# KiCad board GaussSpeedway.kicad_pcb (continued)
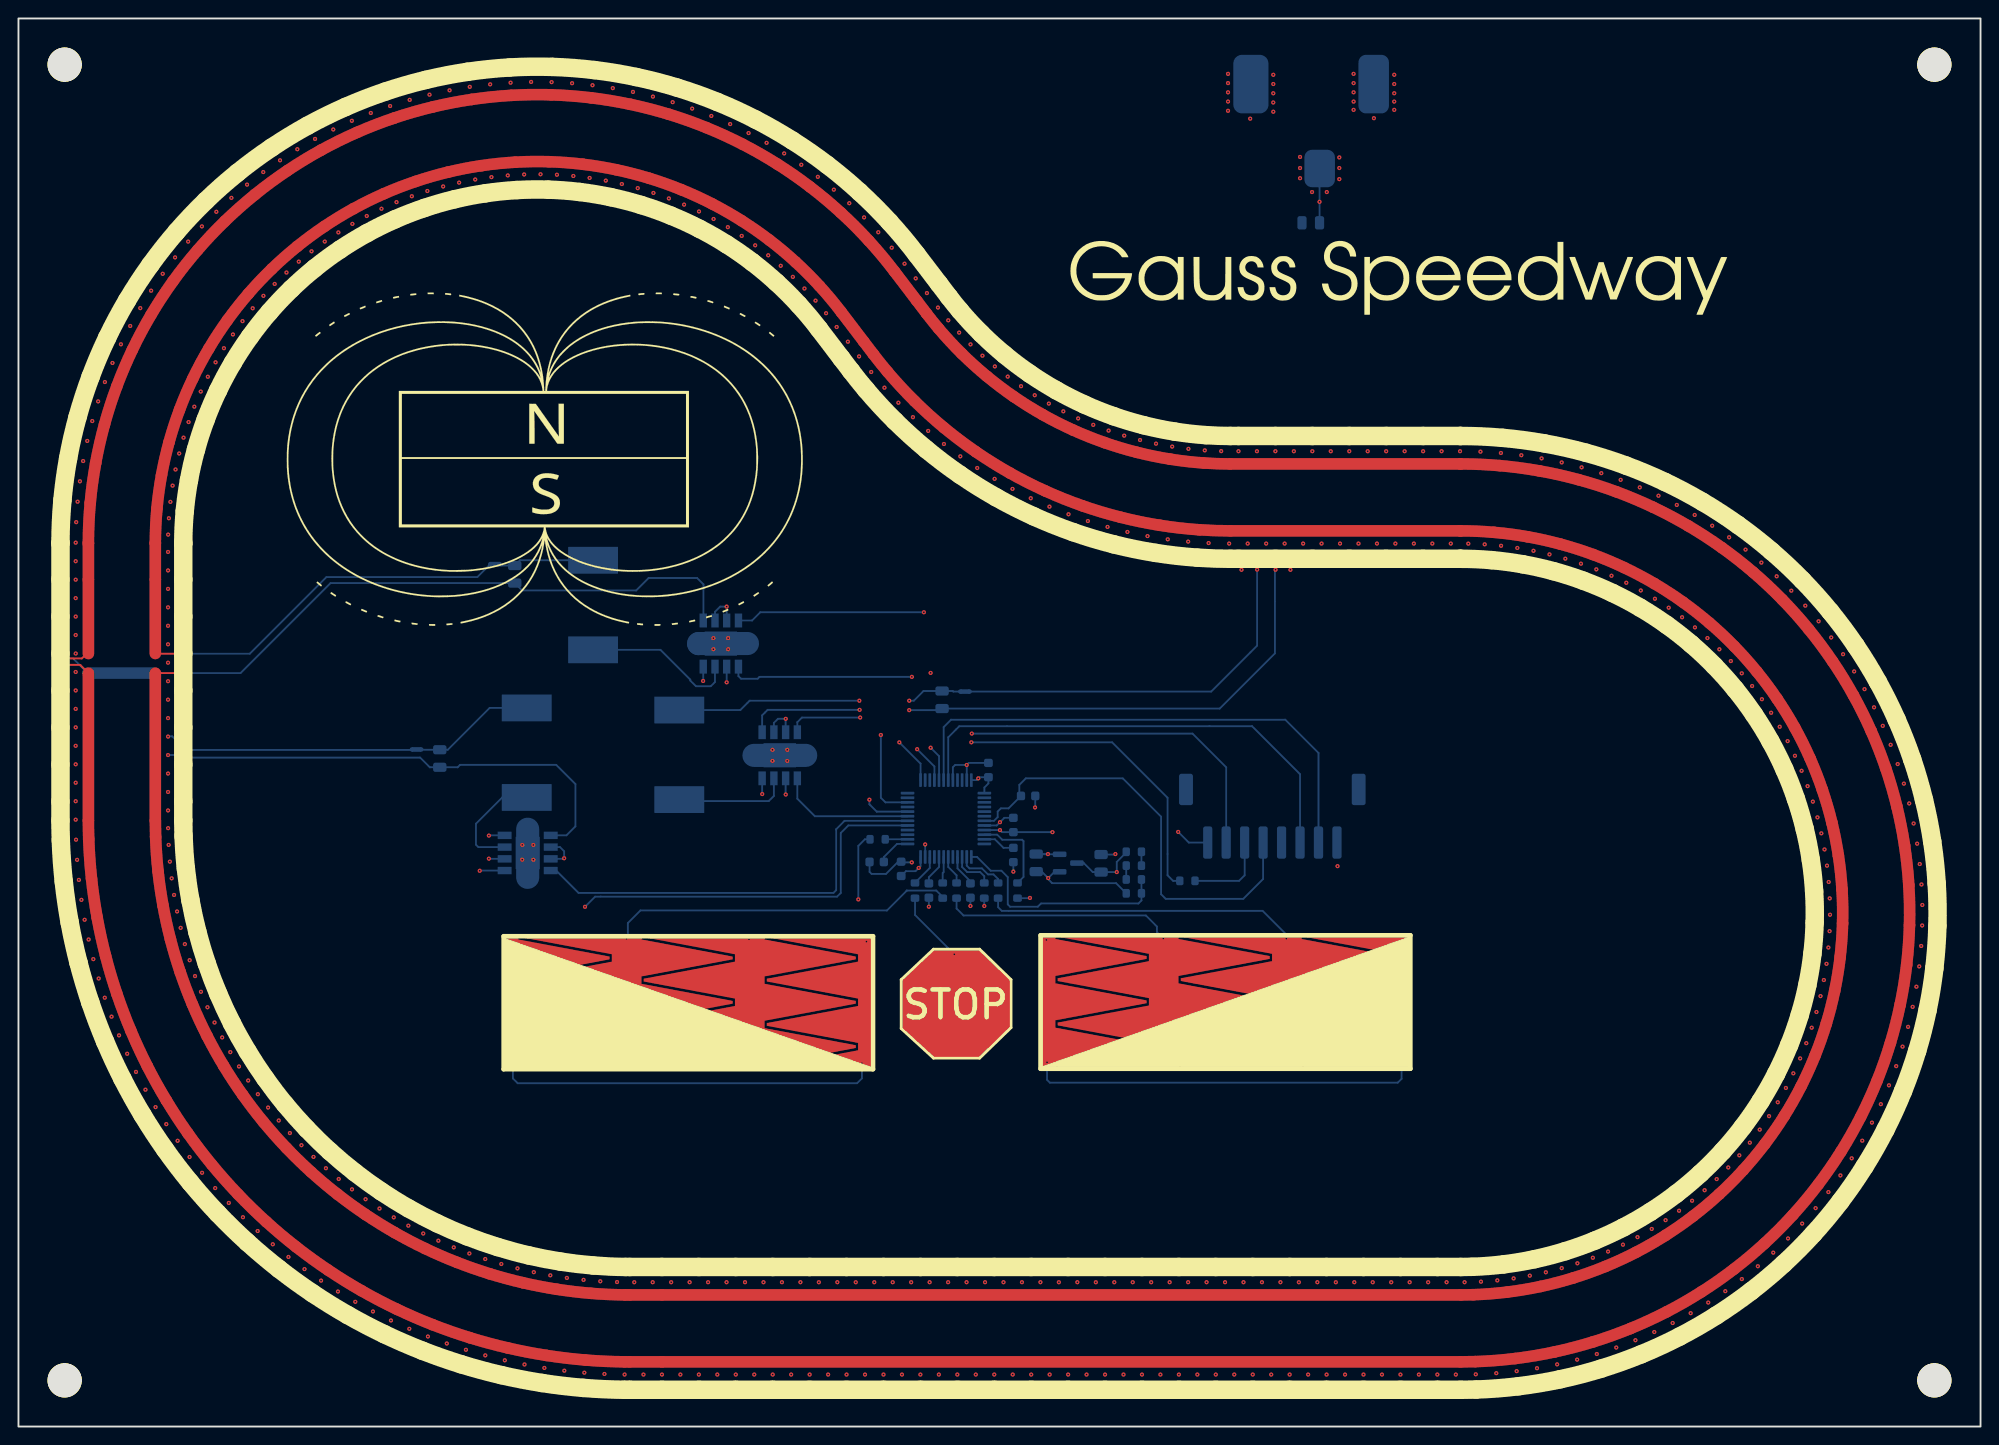
[diagram p0: board, top side]
## Routing (per net, layer and track width the routed paths; a pad name or vN(x,y) marks a point on that pad's centre or on a via; arc(x,y) is an arc through that point) (continued)
/G1_SAMPLE: length 3.5
  Bottom w0.2: C11.1 106.68,62.68 105.75,63.6 U1.11
/G2_SAMPLE: length 3.4
  Bottom w0.2: 103.1,58.82 103.1,59.05 101.7,60.45 U1.16
/G3_SAMPLE: length 3.3
  Bottom w0.2: U1.20 99.7,60.6 98.6,59.5 98.6,58.82
/G6_SAMPLE: length 3.7
  Bottom w0.2: C14.1 93.72,61.68 95.15,63.1 U1.25
/G_IN1: length 39.3
  In1.Cu w0.2: v1(98.06,88.19) 98.79,87.46 v1(98.79,81.62)
  In2.Cu w0.2: v1(98.79,73.52) v1(98.79,81.62)
  Bottom w0.2: v1(98.06,88.19) 80.34,88.19 79.45,87.3 U4.4 ; U1.41 99.7,72.61 v1(98.79,73.52)
/G_IN2: length 32.2
  In2.Cu w0.2: v1(97.33,73.36) 97.33,80.62 v1(96.76,81.19)
  Bottom w0.2: v1(96.76,81.19) 80.26,81.19 80.06,80.99 78.26,80.99 77.97,81.28 U4.5 ; U1.40 99.2,71.49 v1(97.33,73.36)
/NRST: length 48.6
  Bottom w0.2: J2.4 134.8,59.3 132.65,57.15 124.25,57.15 123.75,57.65 123.75,66.05 119.6,70.2 109.1,70.2 108.4,69.5 108.4,68.47 C1.2 107.22,66.95 106.4,66.95 106.05,66.6 106.05,66 105.65,65.6 U1.7
/REV1: length 49.4
  In2.Cu w0.2: v1(111.33,52.7) 109.55,54.48 v1(109.55,57.25)
  Bottom w0.2: v1(111.4,39.45) 111.4,37.55 111.71,37.24 149.38,37.24 149.8,37.66 v1(149.8,39.8) ; 108.2,57.22 109.53,57.22 v1(109.55,57.25)
/REV2: length 33.9
  Bottom w0.2: v1(137.31,52.84) 137.31,53.29 134.75,55.85 106.5,55.85 106.1,56.25 106.1,57.22
/REV3: length 25.2
  Bottom w0.2: 101.6,57.22 101.6,56.1 102.35,55.35 122.1,55.35 123.3,54.15 123.3,53.55 v1(123.99,52.86)
/STOP: length 13.3
  Top w0.2: T2.1 101.35,46.05 v1(101.35,51.15)
  Bottom w0.2: 97.1,57.22 97.1,55.4 v1(101.35,51.15)
/SWCLK: length 9.2
  Bottom w0.2: J2.3 132.8,59.7 132.2,59.1 R12.1
/SWDIO: length 57
  In1.Cu w0.2: v1(93.4,74.9) 103.1,74.9 v1(103.25,75.05)
  Bottom w0.2: v1(93.4,74.9) 93.4,68.1 93.9,67.6 U1.34 ; v1(103.25,75.05) 127.15,75.05 130.8,71.4 J2.2
/UART_RX: length 52.8
  Bottom w0.2: U1.43 100.7,74.65 101.9,75.85 133.6,75.85 138.8,70.65 J2.6
/UART_TX: length 57.9
  Bottom w0.2: J2.7 140.8,72.95 137.2,76.55 101,76.55 100.2,75.75 U1.42
Net-(C8-Pad2): length 31.3
  In2.Cu w0.2: v1(91.07,78.61) v1(96.47,78.61)
  Bottom w0.2: v1(91.07,78.61) 79.19,78.61 78.18,77.6 L1.2 ; NT1.1 101.25,79.6 101.19,79.66 C8.2 98.02,79.66 96.97,78.61 v1(96.47,78.61)
Net-(C9-Pad2): length 10.4
  Bottom w0.2: L3.2 54.32,93.82 C9.2 52.25,93.25 NT5.1
Net-(C10-Pad2): length 13.3
  Bottom w0.2: NT2.1 43.65,73.3 C10.2 46.5,73.3 51.03,77.83 L2.2
Net-(R1-Pad2): length 3.2
  Bottom w0.2: U1.18 100.7,60.6 101.6,59.7 R1.2
Net-(R2-Pad2): length 2.9
  Bottom w0.2: R2.2 100.1,59.95 100.2,60.05 U1.19
Net-(R3-Pad2): length 3.5
  Bottom w0.2: R3.2 97.1,58.9 98.7,60.5 U1.22
Net-(R4-Pad1): length 9.3
  Bottom w0.2: U1.10 106,64.1 106.55,63.55 108.7,63.55 108.85,63.4 108.85,59.53 R4.1
Net-(R5-Pad1): length 2.4
  Bottom w0.2: U1.26 R5.1
Net-(R6-Pad1): length 5.4
  Bottom w0.2: R6.1 106.1,59.3 105.6,59.8 105,59.8 104.35,60.45 103,60.45 102.7,60.75 U1.14
Net-(R7-Pad1): length 4.6
  Bottom w0.2: U1.15 102.2,60.6 102.75,60.05 104.15,60.05 104.6,59.6 R7.1
Net-(R8-Pad1): length 1.5
  Bottom w0.2: R8.1 R9.2
Net-(R10-Pad2): length 1.5
  Bottom w0.2: R9.1 R10.2
Net-(R12-Pad2): length 46.5
  In1.Cu w0.2: v1(103.2,74.1) v1(95.4,74.1)
  Bottom w0.2: R12.2 125.05,59.1 124.45,59.7 124.45,68.1 118.45,74.1 v1(103.2,74.1) ; v1(95.4,74.1) 97.7,71.8 U1.37

## Copper pours and planes (outline as drawn; the poured copper is in the pictures)
GND on Bottom: 150.2,139.7 128.3,139.8 128.3,150.2 150.2,150.2
GND on Bottom: 113,124.5 128,142.5 128,152 150.5,152 150.5,136 158.5,125.5 158.5,58 113,58
GND on Bottom: 212.66,-0.01 0.06,-0.01 0.06,152.59 212.66,152.59 ; 1 cut-out
GND on Bottom, In1.Cu: 58.29,134.39 61.78,134.03 65.1,133.53 68.4,132.58 71.65,131.45 74.85,129.88 77.76,128.13 80.6,126.1 83.25,123.82 85.58,121.34 87.86,118.47 90.26,115.37 93.06,111.71 96.08,108.51 99.59,105.5 103.13,102.85 107.15,100.49 111.19,98.62 115.43,97.05 119.86,95.78 124.41,95.01 128.91,94.45 156.85,94.5 160.59,94.33 163.79,93.71 167.16,92.94 170.53,91.85 173.7,90.58 176.76,88.82 179.62,86.85 182.25,84.58 184.7,82.13 186.97,79.6 189.01,76.79 190.67,73.85 192.21,70.58 193.42,67.33 194.28,63.96 194.84,60.59 195.25,57.24 195.15,53.58 194.76,50.26 194.19,46.89 193.32,43.52 192.09,40.32 190.55,37.21 188.8,34.28 186.77,31.39 184.39,28.79 181.94,26.48 179.24,24.24 176.33,22.29 173.34,20.63 170.12,19.28 166.82,18.1 163.47,17.31 160.06,16.87 156.64,16.71 152.67,16.66 148.65,16.66 64.81,16.63 61.27,16.92 57.83,17.4 54.34,18.13 50.9,19.14 47.55,20.46 44.57,21.88 41.37,23.61 38.33,25.66 35.47,27.66 32.85,30.07 30.22,32.62 27.96,35.29 25.77,38.32 23.89,41.23 22.18,44.48 20.7,47.58 19.54,50.85 18.56,54.44 17.88,57.79 17.5,61.44 17.28,64.91 17.21,68.66 17.19,96.5 17.55,100.07 18.25,103.63 18.95,106.97 20.08,110.2 21.41,113.31 23.12,116.29 25.05,119.16 27.28,121.85 29.91,124.33 32.36,126.47 35.25,128.5 38.19,130.21 41.56,131.77 44.71,132.78 47.86,133.6 51.4,134.18 54.87,134.47 ; 1 cut-out
GND on Bottom, In1.Cu: 47.54,90.5 101.04,90.5 118.5,90.5 124.5,90.5 124.5,58 93.04,58 93.04,66 67.54,66 60.04,58.5 47.54,58.5
VBUS on Bottom: 143.6,129.5 140.2,129.5 140.2,131.8 138.2,131.8 138.2,138.9 143.6,138.9
VBUS on In2.Cu: 48.5,89.5 117.5,89.5 119,84 129.5,83 129.5,71 116.5,71 114,75.5 88,75.5 88,66.5 61,66.5 61,57.5 48.5,57.5
VBUS on In2.Cu: 212.66,-0.01 0.06,-0.01 0.06,152.59 212.66,152.59 ; 1 cut-out
VBUS on In2.Cu: 113,124.5 128,142.5 128,152 150.5,152 150.5,136 158.5,125.5 158.5,58 113,58
VCC on In2.Cu: 93,73.5 112.4,73.5 112.4,58 93,58
/1A_N on Bottom: 78.26,67.29 88.06,67.19 88.06,58.69 59.66,58.69 59.66,65.49 66.96,65.49 66.96,69.49 78.26,69.49
/1B_N on Bottom: 57.66,66.49 46.76,66.49 46.76,61.79 18.46,61.79 18.46,69.59 57.66,69.59
/G1_N on Bottom: 55.66,85.49 64.86,85.49 64.86,82.19 24.46,82.19 33.76,91.19 55.66,91.19
Net-(C8-Pad2) on Bottom: 72.96,79.49 74.16,79.49 74.16,76.19 65.36,70.19 65.36,65.99 61.16,65.99 61.16,81.99 70.46,81.99
Net-(C9-Pad2) on Bottom: 78.46,92.49 56.06,92.49 56.06,95.39 46.06,95.39 46.06,105.49 78.46,105.49
Net-(C10-Pad2) on Bottom: 57.56,76.59 48.66,76.59 48.66,72.89 17.36,72.89 17.36,81.89 57.56,81.89

## Text on the board
B.Silkscreen: VCC | SWDIO | SWCLK | nRST | RX | TX | GND | Gauss Speedway Rev 3
